# Allegro board SDHCalFEB.brd (continued)
## Routing (per net, layer and track width the routed paths; a pad name or vN(x,y) marks a point on that pad's centre or on a via; arc(x,y) is an arc through that point) (continued)
OUT_TRIG2B_A&B: length 60.4
  TOP w0.127: U1082.10 v1(110.15,351.1) 114.38,351.1 120.63,357.36 U1071.12 ; U1068.3 v1(81.41,356.16)
  SIG1 w0.127: v1(81.41,356.16) 106.14,356.16 110.15,352.16 v1(110.15,351.1)
OUT_TRIG2B_A&B&C&D: length 26
  TOP w0.127: U1082.8 111.45,353.21 117.55,359.31 U1071.9
OUT_TRIG2B_B: length 494.2
  TOP w0.127: U520.83 v2(72.26,206.46) ; U1068.4 81.06,355.51 71.2,345.64 v1(63.14,345.64) ; U1068.4 83.38,355.51 83.85,355.98 v1(83.85,356.81) U1068.2 ; U1068.4 82.62,355.51 R410.2 ; v1(138.56,357.36) U1071.5 ; U455.83 v2(151.59,206.46) ; U325.83 v2(313.41,206.46) ; U390.83 v2(231.85,206.46)
  GND1 w0.127: v2(151.59,206.46) v3(150.85,206.46) ; v2(313.41,206.46) v3(314.15,206.46) ; v2(231.85,206.46) v3(231.11,206.46) ; v2(72.26,206.46) 72.16,206.46 v3(71.53,206.46)
  SIG1 w0.127: v1(83.85,356.81) v1(110.83,356.81)
  SIG2 w0.127: v1(138.56,357.36) 134.63,357.36 133.3,356.03 111.61,356.03 v1(110.83,356.81) ; v3(314.15,206.46) 294.19,206.46 290.5,202.77 243.46,202.77 239.77,206.46 v3(231.11,206.46) 209.43,206.46 207.52,204.55 161.11,204.55 159.2,206.46 v3(150.85,206.46) 128.74,206.46 127.36,205.08 81.76,205.08 80.38,206.46 v3(71.53,206.46) 71.52,206.46 58.75,219.23 58.75,277.55 58.17,278.13 58.17,282.57 58.17,340.66 v1(63.14,345.64)
OUT_TRIG2B_B&C: length 53
  TOP w0.127: v1(132.92,358.01) U1071.11 ; U1068.6 v1(83.81,354.21)
  SIG2 w0.127: v1(132.92,358.01) 109.32,358.01 107.75,356.44 86.04,356.44 v1(83.81,354.21)
OUT_TRIG2B_C: length 573.2
  TOP w0.127: v1(137.2,356.86) 138.35,358.01 U1071.6 ; U650.83 v2(232.33,126.45) ; U780.83 v2(73.38,126.45) ; v1(81.41,354.86) U1068.5 85.02,354.86 85.67,354.21 U1068.9 v1(89.62,354.21) ; U585.83 v2(312.17,126.45) ; U715.83 v2(153.39,126.45)
  TOP w0.508: v1(81.41,354.86) 80.71,354.17 R743.2
  GND1 w0.127: v2(312.17,126.45) v3(311.43,126.45) ; v2(153.39,126.45) v3(152.66,126.45) ; v2(73.38,126.45) v3(74.12,126.45) ; v2(232.33,126.45) v3(231.6,126.45)
  SIG1 w0.127: v1(81.41,354.86) 79.47,354.86 75.21,350.6 v1(63.5,350.6)
  SIG2 w0.127: v3(311.43,126.45) 296.55,126.45 293.88,123.77 242.32,123.77 239.64,126.45 v3(231.6,126.45) 212.73,126.45 210.29,124 161.44,124 159,126.45 v3(152.66,126.45) 132.72,126.45 130.35,124.08 81.23,124.08 78.86,126.45 v3(74.12,126.45) 71.26,126.45 53.77,143.94 53.77,340.87 v1(63.5,350.6) ; v1(89.62,354.21) 133.69,354.21 135.07,355.59 135.4,355.59 135.67,355.87 135.67,356.19 136.33,356.86 v1(137.2,356.86)
OUT_TRIG2B_C&D: length 52.1
  TOP w0.127: U1082.9 v1(110.8,353.54) 109.91,354.43 94.74,354.43 93.87,353.56 U1068.8 ; v1(135.15,358.66) U1071.10
  SIG1 w0.127: v1(135.15,358.66) 115.92,358.66 v1(110.8,353.54)
OUT_TRIG2B_D: length 662.2
  TOP w0.127: v1(140.79,358.66) U1071.7 ; U845.83 v2(313.41,46.44) ; v1(87.05,354.86) U1068.10 ; U910.83 v2(232.16,46.44) ; U1040.83 v2(73.38,46.44) ; U975.83 v2(152.68,46.44)
  TOP w0.305: U1068.10 88.27,354.85 R1076.2
  GND1 w0.127: v2(232.16,46.44) v3(231.42,46.44) ; v2(313.41,46.44) v3(314.15,46.44) ; v2(152.68,46.44) v3(151.94,46.44) ; v2(73.38,46.44) v3(74.12,46.44)
  SIG2 w0.127: v1(58.55,350.04) 47.96,339.45 47.96,69.65 71.16,46.44 v3(74.12,46.44) v3(151.94,46.44) v3(231.42,46.44) v3(314.15,46.44)
  SIG3 w0.127: v1(140.79,358.66) 139,360.45 97.43,360.45 91.84,354.86 v1(87.05,354.86) 82.25,350.06 58.57,350.06 v1(58.55,350.04)
PWR_ON_A: length 45.2
  TOP w0.127: U1052.17 U1052.16 U1052.15 ; J33.B36 370.44,143.13 361.49,134.19 U1052.15 ; U1052.14 U1052.15
PWR_ON_A_A: length 433.3
  TOP w0.127: v2(235.76,290.37) U130.89 ; U195.89 154.57,290.37 153.55,290.37 153.54,290.37 v2(153.39,290.37) ; U1052.9 v1(348.73,134.84) ; U260.89 v2(73.38,290.37) ; U65.89 v2(313.41,290.37)
  GND1 w0.127: v3(152.65,290.37) v2(153.39,290.37) ; v3(236.5,290.37) v2(235.76,290.37) ; v2(313.41,290.37) v3(312.67,290.37) ; v2(73.38,290.37) v3(72.64,290.37)
  SIG2 w0.127: v3(337.93,271.78) 319.34,290.37 v3(312.67,290.37) 306.35,290.37 303.91,287.93 288.9,287.93 285.83,284.86 246,284.86 240.49,290.37 v3(236.5,290.37) 235.95,290.37 235.95,290.37 v3(152.65,290.37) 129.59,290.37 128.93,289.71 80.9,289.71 80.24,290.37 v3(72.64,290.37)
  SIG3 w0.127: v3(337.93,271.78) 337.93,165.43 334.57,162.08 334.57,156.41 336.8,154.18 336.8,143.15 345.12,134.84 v1(348.73,134.84)
PWR_ON_A_B: length 345.8
  TOP w0.127: U455.89 v2(153.39,210.36) ; U1052.10 v1(346.37,134.19) ; U390.89 v2(233.4,210.36) ; U520.89 v2(73.38,210.36) ; U325.89 v2(313.41,210.36)
  GND1 w0.127: v2(73.38,210.36) v3(72.64,210.36) ; v2(313.41,210.36) v3(312.68,210.36) ; v2(153.39,210.36) v3(152.65,210.36) ; v2(233.4,210.36) v3(232.66,210.36)
  SIG2 w0.127: v3(333.71,163.3) 333.71,192.68 322.07,204.32 322.07,207.49 319.21,210.36 v3(312.68,210.36) 290.09,210.36 288.75,209.02 243.13,209.02 241.79,210.36 v3(232.66,210.36) 200.83,210.36 199.97,209.5 165.28,209.5 164.42,210.36 v3(152.65,210.36) 73.19,210.36 73.19,210.36 v3(72.64,210.36)
  SIG3 w0.127: v3(333.71,163.3) 333.71,156.16 336.02,153.85 336.02,142.65 344.48,134.19 v1(346.37,134.19)
PWR_ON_A_C: length 289.4
  TOP w0.127: U715.89 v2(151.94,130.35) ; U650.89 v2(233.4,130.35) ; U585.89 v2(313.41,130.35) ; U780.89 v2(73.38,130.35) ; U1052.11 v1(348.73,133.54)
  GND1 w0.127: v2(73.38,130.35) v3(72.65,130.35) ; v2(151.94,130.35) v3(151.21,130.35) ; v2(313.41,130.35) v3(312.68,130.35) ; v2(233.4,130.35) v3(232.67,130.35)
  SIG1 w0.127: v1(348.73,133.54) 346.87,131.67 v3(330.68,131.67)
  SIG2 w0.127: v3(72.65,130.35) 80.93,130.35 81.58,129.69 129.16,129.69 129.82,130.35 v3(151.21,130.35) 160.66,130.35 161.32,129.69 208.76,129.69 209.42,130.35 v3(232.67,130.35) 241.1,130.35 241.83,129.62 293.12,129.62 293.85,130.35 v3(312.68,130.35) 322.68,130.35 323.95,131.62 330.09,131.62 330.14,131.67 v3(330.68,131.67)
PWR_ON_A_D: length 359.4
  TOP w0.127: U975.89 v2(153.39,50.34) ; U910.89 v2(233.4,50.34) ; U845.89 v2(313.41,50.34) ; U1040.89 v2(73.38,50.34) ; U1052.12 v1(346.37,132.89)
  GND1 w0.127: v2(153.39,50.34) v3(152.66,50.34) ; v2(73.38,50.34) v3(72.65,50.34) ; v2(313.41,50.34) v3(312.68,50.34) ; v2(233.4,50.34) v3(232.67,50.34)
  SIG2 w0.127: v3(72.65,50.34) v3(152.66,50.34) v3(232.67,50.34) v3(312.68,50.34) 313.22,50.34 313.25,50.37 336.55,50.37 345.62,59.44 345.62,132.14 v1(346.37,132.89)
PWR_ON_ADC: length 49.4
  TOP w0.127: U1053.22 v1(354.33,129.62) ; U1053.22 U1053.23 ; U1053.22 U1053.21 U1053.20 ; J33.A35 v1(394.75,141.86)
  SIG2 w0.127: v1(354.33,129.62) 358.68,129.62 370.31,141.25 394.14,141.25 v1(394.75,141.86)
PWR_ON_ADC_A: length 430.8
  TOP w0.127: U65.88 v2(315.77,289.72) ; v2(156.51,289.72) 154.57,289.72 U195.88 ; v2(233.4,289.72) U130.88 ; U1053.1 v1(346.36,130.92) ; U260.88 v2(76.71,289.72)
  GND1 w0.127: v2(76.71,289.72) v3(77.44,289.72) ; v3(234.14,289.72) v2(233.4,289.72) ; v2(315.77,289.72) v3(315.04,289.72) ; v3(157.25,289.72) v2(156.51,289.72)
  SIG2 w0.127: v3(337.13,269.93) 337.13,271.65 319.07,289.72 v3(315.04,289.72) 306.81,289.72 304.5,287.4 290.4,287.4 287.25,284.25 245.64,284.25 240.18,289.72 v3(234.14,289.72) v3(157.25,289.72) 130.21,289.72 129.59,289.1 80.34,289.1 79.72,289.72 v3(77.44,289.72)
  SIG3 w0.127: v1(346.36,130.92) 335.33,141.95 335.33,153.24 332.97,155.6 332.97,164.03 337.06,168.12 337.06,269.85 v3(337.13,269.93)
PWR_ON_ADC_B: length 348
  TOP w0.127: U390.88 v2(235.76,209.71) ; U1053.2 v1(348.73,130.27) ; U455.88 v2(155.75,209.71) ; U325.88 v2(315.77,209.71) ; U520.88 v2(75.74,209.71)
  GND1 w0.127: v2(315.77,209.71) v3(316.51,209.71) ; v2(235.76,209.71) v3(236.5,209.71) ; v2(75.74,209.71) v3(76.48,209.71) ; v2(155.75,209.71) v3(156.49,209.71)
  SIG2 w0.127: v3(76.48,209.71) 77.03,209.71 v3(156.49,209.71) 163.95,209.71 164.8,208.86 200.69,208.86 201.53,209.71 v3(236.5,209.71) 241.22,209.71 244.09,206.83 277.42,206.83 279.02,208.43 289.53,208.43 290.81,209.71 v3(316.51,209.71) 318.69,209.71 320.52,207.87 320.52,203.58 330.23,193.88 330.23,180.85 331.11,179.96 v3(331.11,161.16)
  SIG3 w0.127: v3(331.11,161.16) 331.11,156.11 334.72,152.5 334.72,140.94 345.4,130.27 v1(348.73,130.27)
PWR_ON_ADC_C: length 280.5
  TOP w0.127: U780.88 v2(75.74,129.7) ; U715.88 v2(155.75,129.7) ; U1053.3 v1(346.38,129.62) ; U585.88 v2(315.78,129.7) ; v2(235.76,129.7) U650.88
  GND1 w0.127: v2(75.74,129.7) v3(76.48,129.7) ; v2(235.76,129.7) v3(236.5,129.7) ; v2(315.78,129.7) v3(316.51,129.7) ; v2(155.75,129.7) v3(156.49,129.7)
  SIG1 w0.127: v1(346.38,129.62) v3(331.9,129.62)
  SIG2 w0.127: v3(76.48,129.7) 80.61,129.7 81.25,129.06 129.59,129.06 130.23,129.7 v3(156.49,129.7) 160.52,129.7 161.19,129.03 209.35,129.03 210.01,129.7 v3(236.5,129.7) 240.78,129.7 241.5,128.98 293.55,128.98 294.27,129.7 v3(316.51,129.7) 331.27,129.7 331.35,129.62 v3(331.9,129.62)
PWR_ON_ADC_D: length 353.5
  TOP w0.127: v1(348.73,128.97) U1053.4 ; U910.88 v2(235.76,49.69) ; U845.88 v2(315.78,49.69) ; U975.88 v2(155.75,49.69) ; U1040.88 v2(75.74,49.69)
  GND1 w0.127: v2(235.76,49.69) v3(236.5,49.69) ; v2(75.74,49.69) v3(76.48,49.69) ; v2(315.78,49.69) v3(316.51,49.69) ; v2(155.75,49.69) v3(156.49,49.69)
  SIG2 w0.127: v3(76.48,49.69) v3(156.49,49.69) v3(236.5,49.69) v3(316.51,49.69) 336.94,49.69 347.05,59.8 347.05,127.29 v1(348.73,128.97)
PWR_ON_D: length 46.9
  TOP w0.127: v1(354.33,138.09) U1052.21 ; U1052.21 U1052.22 U1052.23 ; U1052.21 U1052.20 ; J33.A37 v1(394.75,144.4)
  SIG2 w0.127: v1(354.33,138.09) 365.04,138.09 370.69,143.74 394.09,143.74 v1(394.75,144.4)
PWR_ON_D_A: length 425.2
  TOP w0.127: U195.90 154.57,291.02 v2(155.75,291.02) ; U65.90 v2(315.77,291.02) ; v2(336.35,161.34) 336.35,146.41 342.71,140.04 U1052.1 ; U260.90 v2(75.74,291.02) ; v2(233.4,291.02) U130.90
  GND1 w0.127: v2(233.4,291.02) v3(232.66,291.02) ; v2(336.35,161.34) v3(336.35,162.08) ; v2(315.77,291.02) v3(316.51,291.02) ; v3(156.49,291.02) v2(155.75,291.02) ; v2(75.74,291.02) v3(76.48,291.02)
  SIG2 w0.127: v3(337.58,273.21) 319.77,291.02 v3(316.51,291.02) 305.7,291.02 303.25,288.57 282.45,288.57 279.35,285.47 246.3,285.47 240.75,291.02 v3(232.66,291.02) v3(156.49,291.02) 128.89,291.02 128.12,290.25 81.31,290.25 80.53,291.02 v3(76.48,291.02)
  SIG3 w0.127: v3(337.58,273.21) 340.77,270.02 340.77,166.5 v3(336.35,162.08)
PWR_ON_D_B: length 342.1
  TOP w0.127: U325.90 v2(315.77,211.01) ; U520.90 v2(77.22,211.01) ; U455.90 v2(157.25,211.01) ; v2(335.46,160.1) 335.46,145.77 341.84,139.39 U1052.2 ; v2(237.26,211.01) U390.90
  GND1 w0.127: v2(77.22,211.01) v3(77.95,211.01) ; v2(237.26,211.01) v3(238,211.01) ; v2(315.77,211.01) v3(315.04,211.01) ; v2(335.46,160.1) v3(335.46,160.83) ; v2(157.25,211.01) v3(157.99,211.01)
  SIG2 w0.127: v3(77.95,211.01) 77.95,211.01 v3(157.99,211.01) 164.91,211.01 165.71,210.21 199.64,210.21 200.44,211.01 v3(238,211.01) 241.97,211.01 243.28,209.7 288.16,209.7 289.47,211.01 v3(315.04,211.01) 319.7,211.01 324.26,206.45 324.26,203.66 335.46,192.46 v3(335.46,160.83)
PWR_ON_D_C: length 291.7
  TOP w0.127: U1052.3 v1(348.73,138.74) ; U780.90 v2(77.34,131) ; v2(317.42,131) U585.90 ; U650.90 v2(237.79,131) ; U715.90 v2(157.78,131)
  GND1 w0.127: v2(317.42,131) v3(318.16,131) ; v2(237.79,131) v3(238.53,131) ; v2(77.34,131) v3(78.08,131) ; v2(157.78,131) v3(158.52,131)
  SIG1 w0.127: v1(348.73,138.74) 339.04,138.74 334.8,134.49 v3(327.25,134.49)
  SIG2 w0.127: v3(327.25,134.49) 323.98,134.49 320.48,131 v3(318.16,131) 293.38,131 292.66,130.28 242.06,130.28 241.34,131 v3(238.53,131) 209.13,131 208.43,130.3 161.49,130.3 160.8,131 v3(158.52,131) 129.22,131 128.57,130.35 81.81,130.35 81.17,131 v3(78.08,131)
PWR_ON_D_D: length 366.9
  TOP w0.127: U1040.90 v2(75.74,50.99) ; U975.90 v2(157.63,50.99) ; U845.90 v2(317.91,50.99) ; U1052.4 v1(346.37,138.09) ; U910.90 v2(237.41,50.99)
  GND1 w0.127: v2(237.41,50.99) v3(238.15,50.99) ; v2(317.91,50.99) v3(318.64,50.99) ; v2(75.74,50.99) v3(75.01,50.99) ; v2(157.63,50.99) v3(158.37,50.99)
  SIG2 w0.127: v1(346.37,138.09) 344.96,136.68 344.96,59.89 336.05,50.99 v3(318.64,50.99) v3(238.15,50.99) v3(158.37,50.99) v3(75.01,50.99)
PWR_ON_DAC: length 47.9
  TOP w0.127: U1053.15 U1053.16 U1053.17 ; U1053.15 U1053.14 ; U1053.15 357.58,125.07 373.1,140.59 J33.B34
PWR_ON_DAC_A: length 439.3
  TOP w0.127: U260.87 v2(73.38,289.07) ; U195.87 154.57,289.07 v2(153.39,289.07) ; U1053.9 v1(346.27,125.72) ; U65.87 v2(313.41,289.07) ; v2(236.88,289.07) U130.87
  GND1 w0.127: v3(154.13,289.07) v2(153.39,289.07) ; v2(73.38,289.07) v3(74.12,289.07) ; v3(237.62,289.07) v2(236.88,289.07) ; v2(313.41,289.07) v3(314.15,289.07)
  SIG2 w0.127: v3(74.12,289.07) 79.2,289.07 79.82,288.46 129.93,288.46 130.55,289.07 v3(154.13,289.07) v3(237.62,289.07) 239.91,289.07 245.41,283.57 288.24,283.57 291.26,286.59 305.03,286.59 307.51,289.07 v3(314.15,289.07) 318.78,289.07 v3(336.17,271.68)
  SIG3 w0.127: v1(346.27,125.72) 338.94,133.05 338.94,134.49 330.57,142.86 330.57,160.36 330.43,160.5 330.43,164.97 336.17,170.71 v3(336.17,271.68)
PWR_ON_DAC_B: length 358.9
  TOP w0.127: U390.87 v2(231.6,209.06) ; U325.87 v2(313.41,209.06) ; U520.87 v2(73.38,209.06) ; U1053.10 v1(348.73,125.07) ; U455.87 v2(151.54,209.06)
  GND1 w0.127: v2(231.6,209.06) v3(230.86,209.06) ; v2(313.41,209.06) v3(314.15,209.06) ; v2(73.38,209.06) v3(74.12,209.06) ; v2(151.54,209.06) v3(150.8,209.06)
  SIG2 w0.127: v3(74.12,209.06) v3(150.8,209.06) 163.46,209.06 164.64,207.87 200.86,207.87 202.05,209.06 v3(230.86,209.06) 240.83,209.06 244.07,205.82 288.11,205.82 291.36,209.06 v3(314.15,209.06) 317.79,209.06 318.95,207.9 318.95,203.84 328.76,194.03 v3(328.76,162.56)
  SIG3 w0.127: v3(328.76,162.56) 328.76,143.58 337.67,134.67 337.67,132.36 344.96,125.07 v1(348.73,125.07)
PWR_ON_DAC_C: length 289.8
  TOP w0.127: U715.87 v2(153.39,129.05) ; U780.87 v2(73.38,129.05) ; U585.87 v2(311.99,129.05) ; U1053.11 v1(346.24,124.42) ; U650.87 v2(231.17,129.05)
  GND1 w0.127: v2(231.17,129.05) v3(230.43,129.05) ; v2(73.38,129.05) v3(74.12,129.05) ; v2(153.39,129.05) v3(152.66,129.05) ; v2(311.99,129.05) v3(311.25,129.05)
  SIG1 w0.127: v3(332.71,125.91) 334.2,124.42 v1(346.24,124.42)
  SIG2 w0.127: v3(332.71,125.91) 328.93,125.91 325.79,129.05 v3(311.25,129.05) 294.68,129.05 294.03,128.4 241.1,128.4 240.44,129.05 v3(230.43,129.05) 210.41,129.05 209.8,128.45 188.77,128.45 186.89,126.57 162.84,126.57 160.36,129.05 v3(152.66,129.05) 130.62,129.05 129.95,128.37 81.03,128.37 80.35,129.05 v3(74.12,129.05)
PWR_ON_DAC_D: length 355.3
  TOP w0.127: U975.87 v2(153.39,49.04) ; U1053.12 v1(348.73,123.77) ; U1040.87 v2(73.38,49.04) ; U910.87 v2(231.93,49.04) ; U845.87 v2(311.38,49.04)
  GND1 w0.127: v2(231.93,49.04) v3(231.19,49.04) ; v2(311.38,49.04) v3(310.64,49.04) ; v2(153.39,49.04) v3(154.13,49.04) ; v2(73.38,49.04) v3(74.12,49.04)
  SIG2 w0.127: v3(74.12,49.04) v3(154.13,49.04) v3(231.19,49.04) v3(310.64,49.04) 337.76,49.04 347.93,59.21 347.93,122.97 v1(348.73,123.77)
RAZ_CHNN: length 47.7
  TOP w0.102: U1056.7 353.21,161.49 353.74,160.97 354.06,160.97 v1(354.36,161.26) ; J34.A4 394.5,165.72 395.33,165.72 v1(395.62,166.02)
  SIG2 w0.102: v1(354.36,161.26) 354.63,160.99 357.48,160.99 362.21,165.72 395.33,165.72 v1(395.62,166.02)
RAZ_CHNN_A: length 293.3
  TOP w0.102: R323.2 77.13,294.7 75.73,294.7 75.51,294.92 U260.96 73.61,294.92 73.4,294.7 72.95,294.7 v2(72.65,295) ; v2(152.66,295) 152.96,294.7 153.41,294.7 153.62,294.92 U195.96 ; U65.96 315.54,294.92 315.76,294.7 316.36,294.7 v2(316.66,295) ; U130.96 233.63,294.92 233.42,294.7 232.66,294.7 v2(232.36,295) ; v2(340.26,290.98) 340.26,290.59 340.36,290.49 R2603.1
  GND1 w0.102: v3(233.79,295.07) 233.42,294.7 232.66,294.7 v2(232.36,295) ; v2(316.66,295) 316.95,294.7 317.72,294.7 v3(318.09,295.07) ; v3(339.3,292.05) 339.3,291.52 339.51,291.3 339.84,290.98 v2(340.26,290.98) ; v2(152.66,295) 152.96,294.7 153.72,294.7 v3(154.09,295.07) ; v3(74.08,295.08) 73.71,294.7 72.95,294.7 v2(72.65,295)
  SIG2 w0.102: v3(339.3,292.05) 338.77,292.05 337.24,293.57 323.62,293.57 322.4,294.79 318.37,294.79 v3(318.09,295.07) 317.72,294.7 289.9,294.7 286.51,291.31 258.01,291.31 254.62,294.7 234.16,294.7 v3(233.79,295.07) 233.42,294.7 209.61,294.7 209.09,295.22 170.1,295.22 169.58,294.7 154.46,294.7 v3(154.09,295.07) 153.72,294.7 128.84,294.7 128.27,295.27 78.97,295.27 78.4,294.7 74.45,294.7 v3(74.08,295.08)
RAZ_CHNN_B: length 281.4
  TOP w0.102: U325.96 315.54,214.91 315.76,214.69 316.21,214.69 v2(316.51,214.99) ; R2611.1 335.4,211.45 335.08,211.45 v2(334.77,211.76) ; v2(236.49,214.99) 236.2,214.69 235.75,214.69 235.53,214.91 U390.96 ; U455.96 155.52,214.91 155.74,214.69 156.26,214.69 v2(156.56,214.99) ; R656.2 79.15,214.68 76.91,214.68 v2(76.6,214.99) 76.3,214.69 75.73,214.69 75.51,214.91 U520.96
  GND1 w0.102: v2(156.56,214.99) 156.86,214.69 157.56,214.69 v3(157.93,215.06) ; v3(78.01,215.06) 77.64,214.69 76.9,214.69 v2(76.6,214.99) ; v3(317.82,215.06) 317.45,214.69 316.8,214.69 v2(316.51,214.99) ; v2(334.77,211.76) 334.46,211.45 334.17,211.45 v3(333.78,211.84) ; v3(237.63,215.06) 237.26,214.69 236.79,214.69 v2(236.49,214.99)
  SIG2 w0.102: v3(333.78,211.84) 333.41,211.46 328.74,211.46 326.35,213.86 319.77,213.86 318.94,214.69 318.19,214.69 v3(317.82,215.06) 317.45,214.69 287.03,214.69 286.6,215.13 266.36,215.13 265.1,213.87 256.62,213.87 255.79,214.69 238,214.69 v3(237.63,215.06) 237.26,214.69 206.92,214.69 206.48,215.14 161.54,215.14 161.1,214.69 158.3,214.69 v3(157.93,215.06) 157.56,214.69 127.24,214.69 126.8,215.14 81.74,215.14 81.29,214.69 78.38,214.69 v3(78.01,215.06)
RAZ_CHNN_C: length 298.7
  TOP w0.102: R989.2 79.41,134.68 76.77,134.68 v2(76.48,134.98) 76.18,134.68 75.73,134.68 75.51,134.9 U780.96 ; v2(316.51,134.98) 316.21,134.68 315.76,134.68 315.54,134.9 U585.96 ; v1(344.33,152.12) 344.63,152.42 344.63,153.18 R2619.1 ; v2(156.49,134.98) 156.19,134.68 155.74,134.68 155.52,134.9 U715.96 ; v2(236.52,134.98) 236.22,134.68 235.75,134.68 235.53,134.9 U650.96
  GND1 w0.102: v3(157.6,135.05) 157.23,134.68 156.78,134.68 v2(156.49,134.98) ; v3(77.64,135.05) 77.27,134.68 76.77,134.68 v2(76.48,134.98) ; v2(236.52,134.98) 236.82,134.68 237.39,134.68 v3(237.76,135.05) ; v3(317.72,135.05) 317.35,134.68 316.81,134.68 v2(316.51,134.98)
  SIG1 w0.102: v1(344.33,152.12) 344.63,151.82 344.63,151.24 343.69,150.29 340.82,150.29 arc(340.71,150.34) 340.67,150.44 arc(340.62,150.55) 340.52,150.6 340.42,150.6 arc(340.31,150.55) 340.26,150.44 arc(340.22,150.34) 340.11,150.29 333.63,150.29 329.2,145.86 329.2,143.78 320.1,134.68 318.09,134.68 v3(317.72,135.05)
  SIG2 w0.102: v3(77.64,135.05) 78.01,134.68 79.11,134.68 79.45,135.02 126.77,135.02 127.12,134.68 157.23,134.68 v3(157.6,135.05) 157.98,134.68 176.95,134.68 177.44,135.18 206.96,135.18 207.46,134.68 237.39,134.68 v3(237.76,135.05) 238.13,134.68 257.62,134.68 258.09,135.15 288.9,135.15 289.37,134.68 317.35,134.68 v3(317.72,135.05)
RAZ_CHNN_D: length 271.8
  TOP w0.102: R2627.1 327.39,53.1 323.05,53.1 321.48,54.67 316.81,54.67 v2(316.51,54.97) 316.21,54.67 315.76,54.67 315.54,54.89 U845.96 ; v2(156.49,54.97) 156.19,54.67 155.74,54.67 155.52,54.89 U975.96 ; U1040.96 75.51,54.89 75.73,54.67 76.18,54.67 v2(76.48,54.97) 76.76,54.69 79.98,54.69 R1322.2 ; U910.96 235.53,54.89 235.75,54.67 236.2,54.67 v2(236.5,54.97)
  GND1 w0.102: v3(157.6,55.04) 157.23,54.67 156.78,54.67 v2(156.49,54.97) ; v2(236.5,54.97) 236.8,54.67 237.24,54.67 v3(237.62,55.04) ; v3(77.59,55.06) 77.21,54.67 76.77,54.67 v2(76.48,54.97) ; v2(316.51,54.97) 316.81,54.67 317.25,54.67 v3(317.63,55.04)
  SIG2 w0.102: v3(317.63,55.04) 317.25,54.67 237.99,54.67 v3(237.62,55.04) 237.24,54.67 157.98,54.67 v3(157.6,55.04) 157.25,54.69 77.97,54.69 v3(77.59,55.06)
RAZ_CHNP: length 47.7
  TOP w0.102: v1(354.36,160.45) 354.06,160.75 353.74,160.75 353.21,160.22 U1056.6 ; v1(395.62,165.2) 395.33,165.5 394.5,165.5 J34.A3
  SIG2 w0.102: v1(354.36,160.45) 354.67,160.77 357.57,160.77 362.3,165.5 395.33,165.5 v1(395.62,165.2)
RAZ_CHNP_A: length 293.2
  TOP w0.102: v2(316.66,294.19) 316.36,294.49 315.76,294.49 315.54,294.27 U65.95 ; v2(339.68,290.41) 340.1,290.41 340.2,290.31 R2604.1 ; U195.95 153.62,294.27 153.41,294.49 152.96,294.49 v2(152.66,294.19) ; R323.1 77.11,294.49 75.73,294.49 75.51,294.27 U260.95 73.61,294.27 73.4,294.49 72.95,294.49 v2(72.65,294.19) ; U130.95 233.63,294.27 233.42,294.49 232.66,294.49 v2(232.36,294.19)
  GND1 w0.102: v3(74.08,294.12) 73.71,294.49 72.95,294.49 v2(72.65,294.19) ; v2(339.68,290.41) 339.68,290.83 339.42,291.09 339.14,291.37 v3(338.62,291.37) ; v3(154.09,294.12) 153.72,294.49 152.96,294.49 v2(152.66,294.19) ; v2(316.66,294.19) 316.95,294.49 317.72,294.49 v3(318.09,294.12) ; v2(232.36,294.19) 232.66,294.49 233.42,294.49 v3(233.79,294.12)
  SIG2 w0.102: v3(74.08,294.12) 74.45,294.49 78.49,294.49 79.06,295.06 128.18,295.06 128.75,294.49 153.72,294.49 v3(154.09,294.12) 154.46,294.49 169.67,294.49 170.19,295.01 209,295.01 209.52,294.49 233.42,294.49 v3(233.79,294.12) 234.16,294.49 254.53,294.49 257.92,291.1 286.6,291.1 289.99,294.49 317.72,294.49 v3(318.09,294.12) 318.55,294.58 322.31,294.58 323.53,293.36 337.15,293.36 338.62,291.89 v3(338.62,291.37)
RAZ_CHNP_B: length 281.3
  TOP w0.102: U325.95 315.54,214.26 315.76,214.48 316.21,214.48 v2(316.51,214.18) ; v2(156.56,214.18) 156.26,214.48 155.74,214.48 155.52,214.26 U455.95 ; v2(236.49,214.18) 236.2,214.48 235.75,214.48 235.53,214.26 U390.95 ; v2(334.77,210.95) 335.06,211.23 335.4,211.23 R2612.1 ; R656.1 79.16,214.46 76.89,214.46 v2(76.6,214.18) 76.3,214.48 75.73,214.48 75.51,214.26 U520.95
  GND1 w0.102: v3(333.78,210.88) 334.14,211.23 334.49,211.23 v2(334.77,210.95) ; v2(236.49,214.18) 236.79,214.48 237.26,214.48 v3(237.63,214.1) ; v2(156.56,214.18) 156.86,214.48 157.56,214.48 v3(157.93,214.1) ; v3(78.01,214.1) 77.64,214.48 76.9,214.48 v2(76.6,214.18) ; v2(316.51,214.18) 316.8,214.48 317.45,214.48 v3(317.82,214.1)
  SIG2 w0.102: v3(333.78,210.88) 333.41,211.25 328.65,211.25 326.26,213.64 319.68,213.64 318.85,214.48 318.19,214.48 v3(317.82,214.1) 317.45,214.48 286.94,214.48 286.51,214.91 266.45,214.91 265.19,213.65 256.53,213.65 255.7,214.48 238,214.48 v3(237.63,214.1) 237.26,214.48 206.83,214.48 206.39,214.92 161.63,214.92 161.19,214.48 158.3,214.48 v3(157.93,214.1) 157.56,214.48 127.15,214.48 126.71,214.92 81.83,214.92 81.38,214.48 78.38,214.48 v3(78.01,214.1)
RAZ_CHNP_C: length 298.7
  TOP w0.102: U650.95 235.53,134.25 235.75,134.47 236.22,134.47 v2(236.52,134.17) ; U585.95 315.54,134.25 315.76,134.47 316.21,134.47 v2(316.51,134.17) ; R2620.1 344.85,153.18 344.85,152.42 v1(345.15,152.12) ; U715.95 155.52,134.25 155.74,134.47 156.19,134.47 v2(156.49,134.17) ; U780.95 75.51,134.25 75.73,134.47 76.18,134.47 v2(76.48,134.17) 76.77,134.47 79.4,134.47 R989.1
  GND1 w0.102: v2(76.48,134.17) 76.77,134.47 77.27,134.47 v3(77.64,134.1) ; v2(156.49,134.17) 156.78,134.47 157.23,134.47 v3(157.6,134.1) ; v2(316.51,134.17) 316.81,134.47 317.35,134.47 v3(317.72,134.1) ; v3(237.76,134.1) 237.39,134.47 236.82,134.47 v2(236.52,134.17)
  SIG1 w0.102: v1(345.15,152.12) 344.85,151.82 344.85,151.15 343.78,150.08 333.72,150.08 329.41,145.77 329.41,143.69 320.19,134.47 318.09,134.47 v3(317.72,134.1)
  SIG2 w0.102: v3(77.64,134.1) 78.01,134.47 79.2,134.47 79.54,134.81 126.68,134.81 127.03,134.47 157.23,134.47 v3(157.6,134.1) 157.98,134.47 177.04,134.47 177.53,134.96 206.87,134.96 207.37,134.47 237.39,134.47 v3(237.76,134.1) 238.13,134.47 257.71,134.47 258.18,134.94 288.81,134.94 289.28,134.47 317.35,134.47 v3(317.72,134.1)
RAZ_CHNP_D: length 271.8
  TOP w0.102: U1040.95 75.51,54.24 75.73,54.46 76.18,54.46 v2(76.48,54.16) 76.79,54.47 80,54.47 R1322.1 ; U975.95 155.52,54.24 155.74,54.46 156.19,54.46 v2(156.49,54.16) ; v2(236.5,54.16) 236.2,54.46 235.75,54.46 235.53,54.24 U910.95 ; U845.95 315.54,54.24 315.76,54.46 316.21,54.46 v2(316.51,54.16) 316.81,54.46 321.39,54.46 322.96,52.88 327.38,52.88 R2628.1
  GND1 w0.102: v3(157.6,54.08) 157.23,54.46 156.78,54.46 v2(156.49,54.16) ; v2(236.5,54.16) 236.8,54.46 237.24,54.46 v3(237.62,54.08) ; v2(316.51,54.16) 316.81,54.46 317.25,54.46 v3(317.63,54.08) ; v3(77.59,54.1) 77.24,54.46 76.77,54.46 v2(76.48,54.16)
  SIG2 w0.102: v3(317.63,54.08) 317.25,54.46 237.99,54.46 v3(237.62,54.08) 237.24,54.46 157.98,54.46 v3(157.6,54.08) 157.22,54.47 77.97,54.47 v3(77.59,54.1)
READOUT1_A1TOA2: length 91.8
  TOP w0.127: U65.112 v2(315.77,305.32) 316.55,305.32 TP4.1 ; v2(233.4,304.02) U130.110 237.36,304.02 TP14.1
  GND1 w0.127: v3(232.66,304.02) v2(233.4,304.02) ; v2(315.77,305.32) v3(316.51,305.32)
  SIG2 w0.127: v3(232.66,304.02) 237.09,304.02 237.39,304.32 269.52,304.32 270.52,305.32 v3(316.51,305.32)
READOUT1_A2TOA3: length 88.6
  TOP w0.127: TP23.1 156.69,304.02 U195.110 154.57,304.02 v2(153.39,304.02) ; v2(232.31,305.32) U130.112 236.64,305.32 TP15.1
  GND1 w0.127: v2(232.31,305.32) v3(231.57,305.32) ; v3(152.87,304.54) v2(153.39,304.02)
  SIG2 w0.127: v3(152.87,304.54) 153.42,303.99 157.07,303.99 157.56,304.47 189.61,304.47 190.46,305.32 v3(231.57,305.32)
READOUT1_A3TOA4: length 91.5
  TOP w0.127: v2(72.62,304.02) U260.110 76.6,304.02 TP34.1 ; v2(153.39,305.32) U195.112 156.6,305.32 TP24.1
  GND1 w0.127: v2(153.39,305.32) v3(154.13,305.32) ; v2(72.62,304.02) v3(71.88,304.02)
  SIG2 w0.127: v3(71.88,304.02) 106.15,304.02 107.45,305.32 v3(154.13,305.32)
